# Altium PCB Test_Jig.PcbDoc (part 2 of 2)
Units mm, origin at the board's own origin, x right, y up, seen from the top; angles counter-clockwise.
Board outline 107.92 x 107.92 mm, 4 copper layers (Top Layer, Signal Layer 2, Signal Layer 1, Bottom Layer), stack 1.643 mm thick; 143 components, 166 nets, 722 pads, 216 vias.
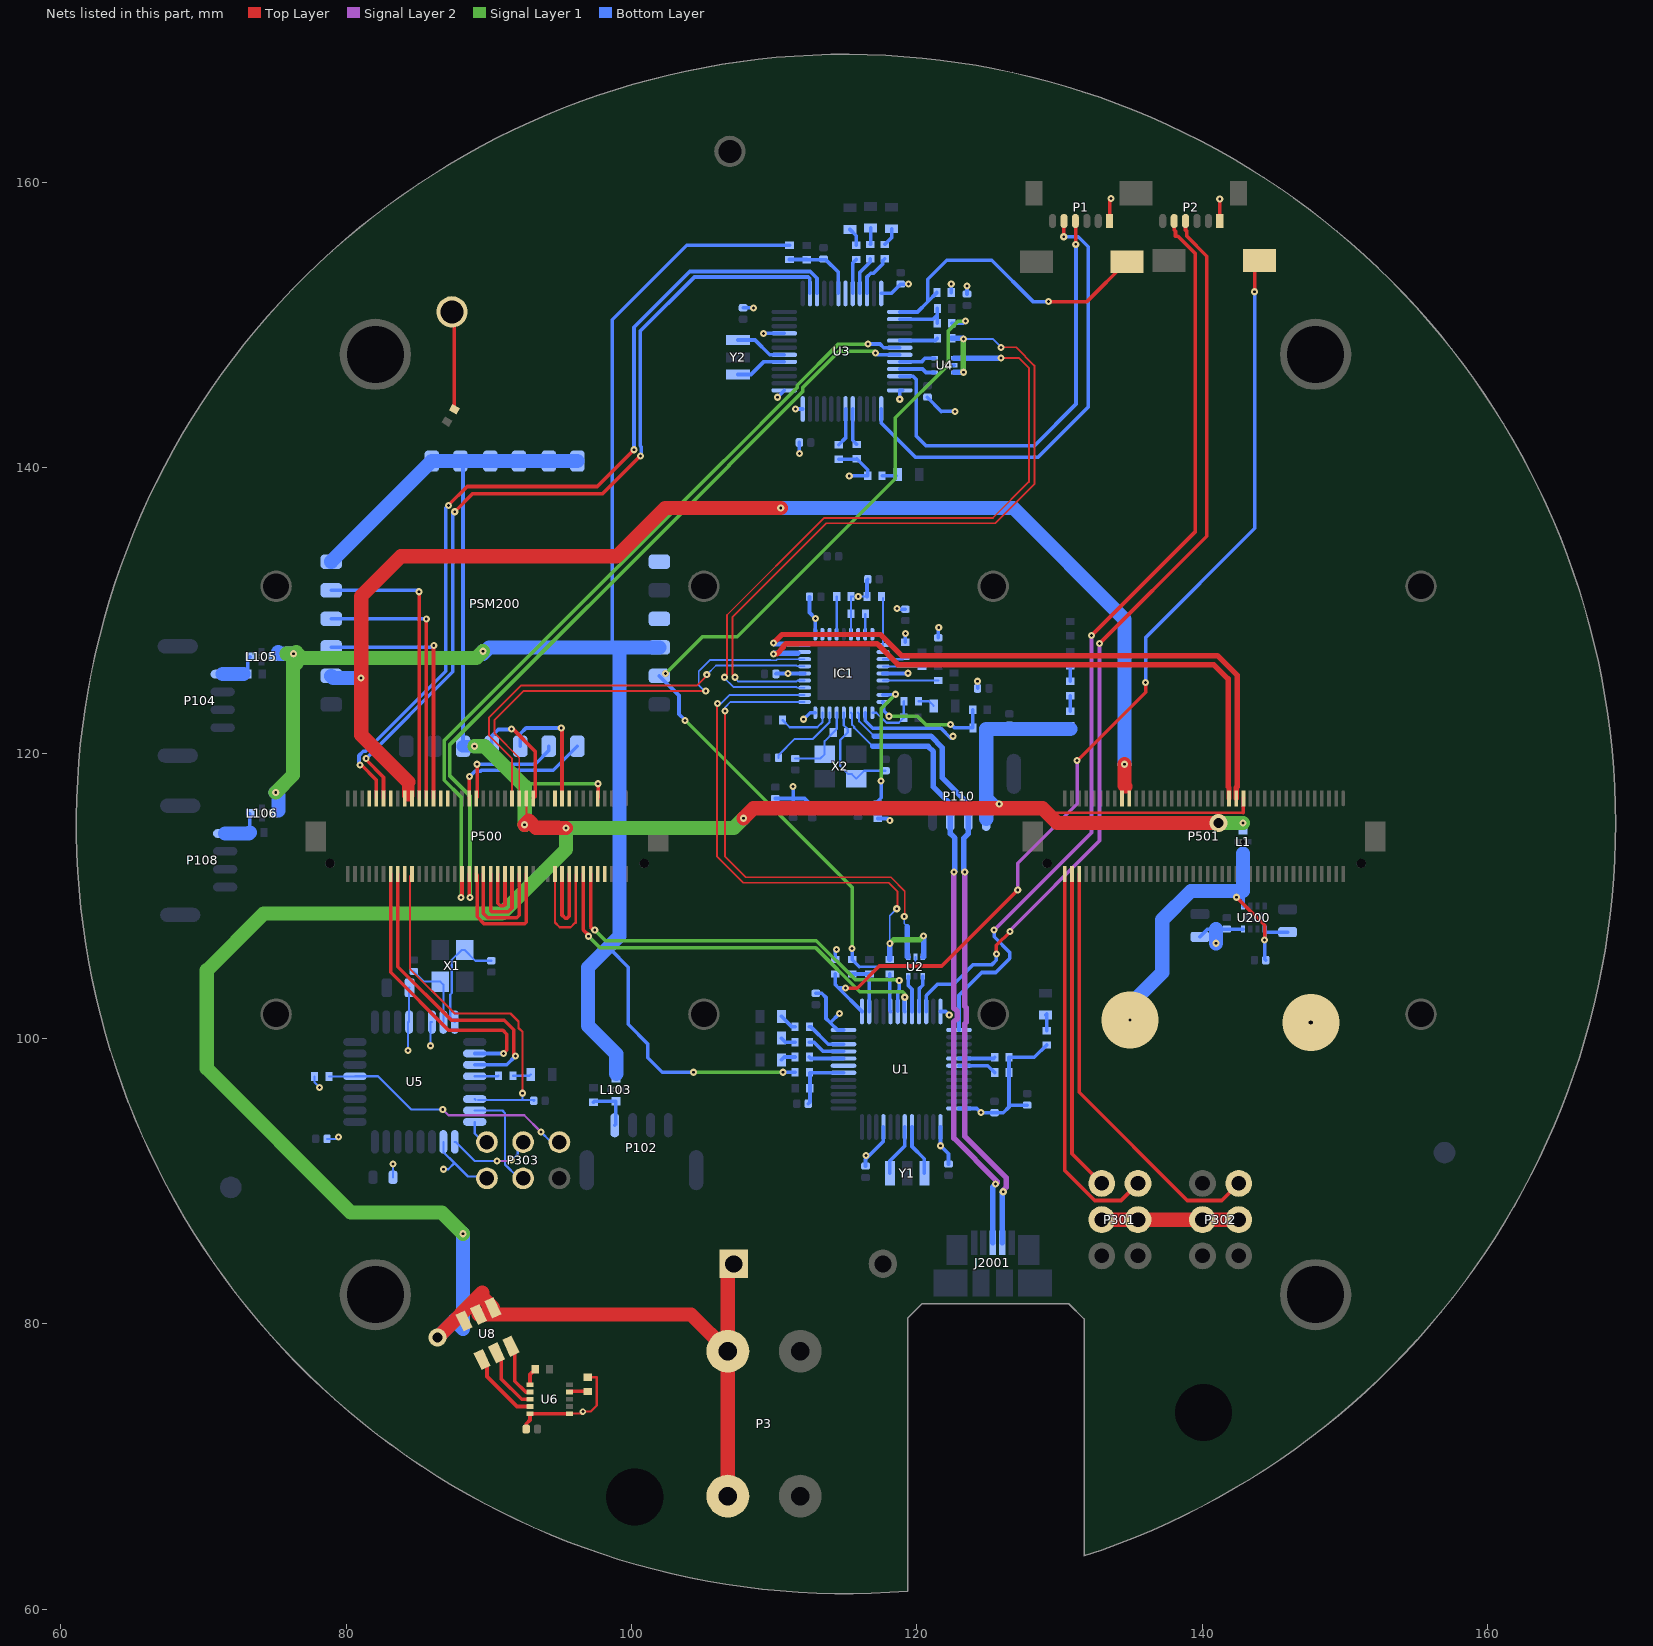
[diagram p4: the nets of this part, all layers, seen from the top]

## Via types
v1: diameter 0.5, hole 0.2, Top Layer to Bottom Layer, tented both sides, 197 vias
v2: diameter 0.5, hole 0.2, Top Layer to Bottom Layer, 9 vias
v3: diameter 0.45, hole 0.2, Top Layer to Bottom Layer, tented both sides, 5 vias
v4: diameter 4, hole 0.3, Top Layer to Bottom Layer, 2 vias
v5: diameter 1.27, hole 0.711, Top Layer to Bottom Layer, tented both sides, 1 vias
v6: diameter 4, hole 0.2, Top Layer to Bottom Layer, 1 vias
v7: diameter 1.27, hole 0.711, Top Layer to Bottom Layer, 1 vias

## Nets (pads, with @x,y where several pads share a name; then routed paths per layer and width w, separated by ;. In a path a pad name is that pad's centre, name@x,y a point inside that pad or via, vN(x,y) a via of type N, cw(c..) or ccw(c..) an arc to the next point about the centre after c; other vN are vias at no path point) (continued)
IO-CH7-PROT: P500.68 U5.10 | length 20.3
  Top Layer w0.254: P500.68@83.115,111.523 83.115,104.641 87.177,100.58 90.987,100.58 91.262,100.305 91.262,99.187 v1(91.027,98.952)
  Bottom Layer w0.254: U5.10@89.011,98.952 v1(91.027,98.952)
IO-CH8-PROT: P500.66 U5.11 | length 21.5
  Top Layer w0.254: P500.66@83.615,111.523 83.615,105.03 87.376,101.27 91.084,101.27 91.748,100.606 91.748,98.891 v1(91.872,98.768)
  Bottom Layer w0.254: U5.11@89.011,98.152 91.256,98.152 v1(91.872,98.768)
IO-SWCLK: P500.71 U3.15 | length 62.7
  Top Layer w0.254: v1(80.956,119.183) 81.046,119.183 82.115,118.113 P500.71@82.115,116.84 ; v1(87.161,137.375) 88.488,138.701 97.604,138.701 v1(100.178,141.275)
  Bottom Layer w0.254: v1(80.956,119.183) 80.895,119.243 80.895,119.835 81.19,120.13 81.364,120.13 86.978,125.743 86.978,137.191 v1(87.161,137.375) ; v1(100.178,141.275) 100.178,149.86 104.086,153.769 112.538,153.769 113.007,153.299 U3.15@113.007,152.234
IO-SWDIO: P500.69 U3.14 | length 61.1
  Top Layer w0.254: v1(81.399,119.626) 81.399,119.536 82.615,118.32 P500.69@82.615,116.84 ; v1(87.605,136.931) 88.875,138.201 97.991,138.201 v1(100.621,140.831)
  Bottom Layer w0.254: v1(81.399,119.626) 87.478,125.705 87.478,136.804 v1(87.605,136.931) ; v1(100.621,140.831) 100.682,140.892 100.682,141.484 100.621,141.544 100.621,149.596 104.412,153.388 112.38,153.388 112.507,153.261 U3.14@112.507,152.234
IO-USART1_RX_SPECTRUM_DSM: P500.48 U3.30 | length 56.8
  Top Layer w0.254: v1(88.052,109.88) 88.115,109.944 P500.48@88.115,111.523
  Signal Layer 1 w0.254: v1(88.052,109.88) 88.052,116.926 86.866,118.112 86.866,120.898 106.479,140.511 106.497,140.511 111.622,145.636 111.622,145.796 114.509,148.684 116.578,148.684 v1(116.586,148.692)
  Bottom Layer w0.254: v1(116.586,148.692) 117.424,148.692 117.682,148.434 U3.30@118.807,148.434
IO-USART1_TX: P500.46 U3.31 | length 56.3
  Top Layer w0.254: P500.46@88.615,111.523 88.615,109.944 v1(88.679,109.88)
  Signal Layer 1 w0.254: v1(88.679,109.88) 88.679,117.006 87.247,118.438 87.247,120.572 106.832,140.157 106.832,140.184 112.003,145.355 112.003,145.639 114.548,148.184 117.094,148.184 v1(117.094,148.057)
  Bottom Layer w0.254: v1(117.094,148.057) 117.217,147.934 U3.31@118.807,147.934
LED01: R5.P$2 U1.20 | length 2.4
  Bottom Layer w0.254: R5.P$2@112.471,98.704 112.581,98.595 U1.20@114.861,98.595
LED02: R16.P$2 U3.20 | length 2.5
  Bottom Layer w0.254: U3.20@115.507,152.234 115.507,154.369 R16.P$2@115.748,154.61
LED11: R4.P$2 U1.21 | length 2.7
  Bottom Layer w0.254: R4.P$2@112.471,99.746 112.801,99.746 113.452,99.095 U1.21@114.861,99.095
LED12: R15.P$2 U3.21 | length 2.7
  Bottom Layer w0.254: U3.21@116.007,152.234 116.007,153.701 116.738,154.432 R15.P$2@116.738,154.661
LED21: R2.P$2 U1.22 | length 2.9
  Bottom Layer w0.254: R2.P$2@112.471,100.813 112.586,100.813 113.803,99.595 U1.22@114.861,99.595
LED22: R14.P$2 U3.22 | length 3.1
  Bottom Layer w0.254: U3.22@116.507,152.234 116.507,153.388 116.764,153.645 116.967,153.645 117.602,154.28 117.602,154.508 R14.P$2@117.754,154.661
MCO1: R40.P$1 U1.29 | length 2.7
  Bottom Layer w0.254: R40.P$1@118.11,104.529 118.11,101.946 U1.29@118.161,101.895
MCO2: R41.P$1 U3.29 | length 2.7
  Bottom Layer w0.254: U3.29@118.807,148.934 121.281,148.934 R41.P$1@121.445,149.098
MISO: P303.2 U5.16 | length 2
  Bottom Layer w0.15: U5.16@89.011,94.152 89.011,93.336 P303.2@89.814,92.532
MOSI: P303.3 U5.15 | length 7.1
  Bottom Layer w0.152: U5.15@89.011,94.952 90.951,94.952 91.135,94.767 91.135,91.161 P303.3@92.024,90.272
NetBUZ1_2: BUZ1.2 R204.P$1 | length 6.9
  Top Layer w0.254: BUZ1.2@87.412,150.941 87.575,150.778 R204.P$1@87.575,144.121
NetC6_P$1: C6.P$1 R6.P$2 R7.P$1 U1.18 | length 4.6
  Bottom Layer w0.254: C6.P$1@112.389,95.428 112.514,95.553 112.514,97.595 U1.18@114.861,97.595
NetC12_P$1: C12.P$1 R17.P$2 R18.P$1 U3.18 | length 5.3
  Bottom Layer w0.254: R17.P$2@111.074,154.61 R18.P$1@112.276,154.61 ; R18.P$1@112.268,154.584 113.64,154.584 114.507,153.717 U3.18@114.507,152.234
NetC16_P$2: C16.P$2 U5.8 X1.1 | length 7.9
  Bottom Layer w0.152: U5.8@87.611,101.152 87.289,101.474 87.289,103.073 87.401,103.186 87.401,105.512 88.095,106.205 X1.1@88.302,106.205 89.053,105.454 C16.P$2@90.17,105.454
NetC17_P$2: C17.P$2 U5.7 X1.3 | length 5.1
  Bottom Layer w0.152: C17.P$2@84.734,104.705 85.452,103.988 X1.3@86.589,103.988 86.811,103.766 U5.7@86.811,101.152
NetC200_P$1: C200.P$1 C201.P$1 L1.P$2 U200.1 U200.5 | length 26
  Top Layer w0.254: v1(142.418,109.906) 144.387,107.937 v1(144.387,106.909)
  Bottom Layer w0.254: v1(142.418,109.906) 142.85,109.906 142.875,109.88 ; U200.1@142.875,109.283 142.875,109.88 ; 142.875,110.338 142.875,109.88 ; L1.P$2@142.875,112.962 L1.P$2@142.875,112.979 ; C200.P$1@144.469,105.486 144.387,105.568 v1(144.387,106.909) 144.387,107.366 144.476,107.455 C201.P$1@145.999,107.455
  Bottom Layer w1: v6(134.95,101.295) 134.95,102.362 137.211,104.623 137.211,108.331 139.217,110.338 142.875,110.338 L1.P$2@142.875,112.962
NetD104_C: D104.C L103.P$2 P102.1 | length 3.3
  Bottom Layer w0.254: D104.C@97.333,95.537 97.401,95.606 L103.P$2@98.908,95.606 98.908,94 P102.1@98.826,93.918
NetD106_C: D106.C L105.P$2 P104.1 | length 2.7
  Bottom Layer w0.254: D106.C@73.102,125.55 73.102,126.609 L105.P$2@73.254,126.761
  Bottom Layer w1: P104.1@71.338,125.548 72.792,125.548 72.796,125.552
NetD108_C: D108.C L106.P$2 P108.1 | length 3
  Bottom Layer w0.254: D108.C@73.228,114.442 L106.P$2@73.228,115.748
  Bottom Layer w1: P108.1@71.515,114.372 73.157,114.372 D108.C@73.228,114.442
NetLED1_A: LED1.A R26.P$1 | length 1.3
  Bottom Layer w0.152: R26.P$1@91.686,97.384 92.837,97.384 LED1.A@92.939,97.485
NetLED2_A: LED2.A R1.P$1 | length 1.3
  Bottom Layer w0.254: LED2.A@129.032,101.651 129.108,101.727 R1.P$1@129.108,100.551
NetLED3_A: LED3.A R2.P$1 | length 1.3
  Bottom Layer w0.254: LED3.A@110.515,101.549 111.252,100.813 R2.P$1@111.463,100.813
NetLED4_A: LED4.A R4.P$1 | length 1.1
  Bottom Layer w0.254: LED4.A@110.515,100.025 110.795,99.746 R4.P$1@111.463,99.746
NetLED5_A: LED5.A R5.P$1 | length 1
  Bottom Layer w0.254: LED5.A@110.515,98.501 110.719,98.704 R5.P$1@111.463,98.704
NetLED6_A: LED6.A R13.P$1 | length 1
  Bottom Layer w0.254: R13.P$1@117.569,139.446 LED6.A@118.567,139.446
NetLED7_A: LED7.A R14.P$1 | length 1.3
  Bottom Layer w0.254: R14.P$1@117.754,155.669 118.237,156.151 LED7.A@118.237,156.769
NetLED8_A: LED8.A R15.P$1 | length 1.2
  Bottom Layer w0.254: R15.P$1@116.738,155.669 116.764,155.694 LED8.A@116.764,156.82
NetLED9_A: LED9.A R16.P$1 | length 1.3
  Bottom Layer w0.254: LED9.A@115.316,156.718 115.748,156.286 R16.P$1@115.748,155.618
NetLED10_A: LED10.A R42.P$2 | length 1.2
  Bottom Layer w0.15: R42.P$2@120.117,123.647 120.853,123.647 LED10.A@121.183,123.317
NetP301_3: P301.3 P301.4 P302.3 P302.4 | length 9.6
  Top Layer w1: P301.4@132.969,87.3 P301.3@135.509,87.3 P302.4@140.03,87.3 P302.3@142.57,87.3
NetR8_P$1: R8.P$1 U1.41 | length 2.5
  Bottom Layer w0.254: U1.41@122.961,98.595 125.374,98.595 R8.P$1@125.459,98.679
NetR9_P$1: R9.P$1 U1.42 | length 2.7
  Bottom Layer w0.254: U1.42@122.961,98.095 124.976,98.095 R9.P$1@125.459,97.612
NetR10_P$2: R10.P$2 S1.1 U1.25 | length 70
  Top Layer w0.254: v1(115.011,103.53) 115.824,103.53 117.373,105.08 121.742,105.08 v1(127.076,110.414) ; v1(131.242,119.482) 136.042,124.282 v1(136.042,124.968) ; v1(143.688,152.349) 143.688,154.203 S1.1@144.018,154.534
  Signal Layer 2 w0.254: v1(127.076,110.414) 127.076,112.293 131.242,116.459 v1(131.242,119.482)
  Bottom Layer w0.254: R10.P$2@114.275,104.521 114.275,103.782 114.489,103.567 ; v1(115.011,103.53) 114.974,103.567 114.489,103.567 ; U1.25@116.161,101.895 114.489,103.567 ; v1(136.042,124.968) 136.042,128.118 143.688,135.763 v1(143.688,152.349)
NetR19_P$1: R19.P$1 U3.41 | length 2.6
  Bottom Layer w0.254: U3.41@115.507,144.134 115.507,141.939 R19.P$1@115.799,141.648
NetR20_P$1: R20.P$1 U3.42 | length 2.7
  Bottom Layer w0.254: R20.P$1@114.529,141.622 115.007,142.101 U3.42@115.007,144.134
NetR21_P$2: R21.P$2 S2.1 U3.25 | length 21.6
  Top Layer w0.254: v1(129.235,151.663) 131.928,151.663 S2.1@134.722,154.457
  Bottom Layer w0.254: U3.25@118.807,150.934 120.047,150.934 120.764,151.651 ; R21.P$2@121.412,152.298 120.764,151.651 ; v1(129.235,151.663) 128.143,151.663 125.247,154.559 122.098,154.559 120.764,153.225 120.764,151.651
NetR26_P$2: R26.P$2 U5.12 | length 1.7
  Bottom Layer w0.152: U5.12@89.011,97.352 90.646,97.352 R26.P$2@90.678,97.384
NetR31_P$1: R31.P$1 U6.4 | length 1.1
  Top Layer w0.254: U6.4@95.66,75.209 95.719,75.268 R31.P$1@96.749,75.268
NetR32_P$1: R32.P$1 U6.6 | length 1.2
  Top Layer w0.254: U6.6@92.888,75.717 92.888,76.446 R32.P$1@93.251,76.81
NetR200_P$2: R200.P$2 R201.P$1 | length 1.1
  Bottom Layer w0.254: R200.P$2@130.759,122.936 R201.P$1@130.759,124.036
NetR201_P$2: R201.P$2 R202.P$1 | length 1.1
  Bottom Layer w0.254: R201.P$2@130.759,125.044 R202.P$1@130.759,126.119
NetU1_5: U1.5 Y1.1 | length 3.6
  Bottom Layer w0.254: U1.5@119.661,93.795 119.661,92.429 120.529,91.561 Y1.1@120.529,90.551
NetU1_6: U1.6 Y1.3 | length 3.7
  Bottom Layer w0.254: Y1.3@118.11,90.551 118.11,91.415 119.161,92.466 U1.6@119.161,93.795
NetU3_5: U3.5 Y2.1 | length 3.6
  Bottom Layer w0.254: Y2.1@107.467,146.552 108.376,146.552 109.257,147.434 U3.5@110.707,147.434
NetU3_6: U3.6 Y2.3 | length 3.7
  Bottom Layer w0.254: Y2.3@107.467,148.971 108.661,148.971 109.699,147.934 U3.6@110.707,147.934
NetU6_7: U6.7 U8.C3 | length 4
  Top Layer w0.254: U8.C3@91.448,78.484 91.821,78.111 91.821,75.971 92.583,75.209 U6.7@92.888,75.209
NetU6_8: U6.8 U8.C2 | length 4.8
  Top Layer w0.254: U8.C2@90.348,78.08 90.856,77.572 90.856,76.149 92.304,74.701 U6.8@92.888,74.701
NetU6_9: U6.9 U8.C1 | length 5.2
  Top Layer w0.254: U8.C1@89.577,77.464 89.865,77.176 89.865,76.302 91.965,74.201 U6.9@92.888,74.201
OCS_N1: IC1.13 R39.P$1 | length 2.6
  Bottom Layer w0.152: IC1.13@114.384,128.34 R39.P$1@114.384,130.988
OCS_N2: IC1.17 R38.P$1 | length 1.4
  Bottom Layer w0.152: IC1.17@116.384,128.34 R38.P$1@116.384,129.753
OCS_N3: IC1.19 R37.P$1 | length 3.3
  Bottom Layer w0.152: IC1.19@117.634,127.59 R37.P$1@117.634,130.871
OCS_N4: IC1.21 R36.P$1 | length 1.6
  Bottom Layer w0.152: IC1.21@117.634,126.59 119.013,126.59 R36.P$1@119.202,126.779
PLLFILT: C29.P$1 IC1.34 | length 5.4
  Bottom Layer w0.152: C29.P$1@110.306,119.685 110.306,119.856 111.455,121.006 111.495,121.006 112.725,121.006 113.884,122.165 IC1.34@113.884,122.84
PPM-SBUS-PROT: P500.62 R3.1 U5.14 | length 25.5
  Top Layer w0.15: P500.62@84.615,111.523 84.46,111.368 84.46,104.897 87.605,101.752 91.516,101.752 92.077,101.191 92.077,100.739 92.354,100.462 v1(92.354,96.164)
  Bottom Layer w0.15: U5.14@89.256,95.682 92.354,95.682 ; v1(92.354,96.164) 92.354,95.682 ; R3.1@93.148,95.631 93.199,95.682 92.354,95.682
  Bottom Layer w0.152: U5.14@89.011,95.752 U5.14@89.055,95.707
PRESSURE_SENS_IN: P500.21
PROT_SPARE_1: P500.8
PROT_SPARE_2: P500.10
PRTPWR1: IC1.12
PRTPWR2: IC1.16
PRTPWR3: IC1.18
PRTPWR4: IC1.20
PWR_BR1: U1.19
PWR_BR2: U3.19
RBIAS: IC1.35 R34.P$2 | length 3.8
  Bottom Layer w0.152: R34.P$2@110.592,122.326 111.1,121.818 113.03,121.818 113.384,122.173 IC1.35@113.384,122.84
RESET_N: C31.P$1 IC1.26 R29.P$1 | length 10.4
  Signal Layer 1 w0.254: v1(117.5,118.059) 117.5,123.131 v1(118.506,124.137)
  Bottom Layer w0.254: C31.P$1@115.875,116.357 115.949,116.432 R29.P$1@117.272,116.432 ; R29.P$1@117.221,116.592 117.5,116.872 v1(117.5,118.059) ; IC1.26@117.634,124.09 118.46,124.09 v1(118.506,124.137)
RST: P303.6 R25.P$2 U5.29 | length 17.7
  Signal Layer 2 w0.152: v1(86.766,95.021) 87.173,94.615 92.481,94.615 v1(93.65,93.447)
  Bottom Layer w0.152: R25.P$2@78.791,97.333 80.611,97.333 U5.29@80.611,97.352 82.226,97.352 84.557,95.021 v1(86.766,95.021) ; v1(93.65,93.447) 94.31,92.786 P303.6@94.31,92.532
RX_5V0_OUT: PSM200.RX
S.BUS_OUT: P500.64
SAFETY: P500.17
SCK: P303.4 U5.17 | length 5.8
  Signal Layer 2 w0.152: v1(90.576,91.415) 91.516,91.415 v1(91.592,91.491)
  Bottom Layer w0.152: U5.17@87.611,92.752 87.664,92.752 89.002,91.415 v1(90.576,91.415) ; v1(91.592,91.491) 92.024,91.923 P303.4@92.024,92.558
SCL: IC1.24 R44.P$2 | length 3.9
  Bottom Layer w0.152: IC1.24@117.634,125.09 121.509,125.09 R44.P$2@121.514,125.095
SDA: IC1.22 R33.P$2 | length 2.7
  Bottom Layer w0.152: IC1.22@117.634,126.09 120.366,126.09 R33.P$2@120.371,126.086
SERIAL1_CTS: P500.30 P500.44 | length 10.1
  Top Layer w0.254: P500.44@89.115,111.523 89.183,111.456 89.183,108.531 89.662,108.052 92.507,108.052 92.634,108.179 P500.30@92.634,111.523
SERIAL1_RTS: P500.32 P500.42 | length 8.4
  Top Layer w0.254: P500.42@89.615,111.523 89.615,108.759 89.916,108.458 91.948,108.458 92.126,108.636 P500.32@92.126,111.523
SERIAL1_RX: P500.36 P500.38 | length 4.8
  Top Layer w0.254: P500.38@90.627,111.523 90.627,109.474 90.805,109.296 91.034,109.296 91.135,109.398 P500.36@91.135,111.523
SERIAL1_TX: P500.34 P500.40 | length 6.6
  Top Layer w0.254: P500.40@90.119,111.523 90.119,108.991 90.221,108.89 91.364,108.89 91.618,109.144 P500.34@91.618,111.523
SERIAL3_RX: P500.18 P500.20 | length 6.5
  Top Layer w0.254: P500.20@95.123,111.523 95.123,108.661 95.352,108.433 95.479,108.433 95.631,108.585 P500.18@95.631,111.523
SERIAL3_TX: P500.16 P500.22 | length 8.5
  Top Layer w0.15: P500.22@94.641,111.523 94.641,108.128 94.971,107.798 95.733,107.798 96.037,108.102 96.088,108.102 96.088,111.472 P500.16@96.139,111.523
SERIAL5_RX: P500.12 U1.30 | length 29.1
  Top Layer w0.254: P500.12@97.13,111.523 97.13,107.823 97.342,107.611 v1(97.426,107.611)
  Signal Layer 1 w0.254: v1(97.426,107.611) 98.179,106.858 112.959,106.858 115.702,104.115 118.72,104.115 v1(118.77,104.064)
  Bottom Layer w0.254: U1.30@118.653,101.903 118.653,103.286 118.77,103.403 v1(118.77,104.064)
SERIAL5_TX: P500.14 U1.31 | length 29.6
  Top Layer w0.254: P500.14@96.622,111.523 96.622,107.612 96.982,107.252 v1(96.982,107.168)
  Signal Layer 1 w0.254: v1(96.982,107.168) 97.8,106.35 112.928,106.35 116.002,103.276 119.024,103.276 119.157,103.143 v1(119.157,102.894)
  Bottom Layer w0.254: v1(119.157,102.894) 119.126,102.863 119.126,101.93 U1.31@119.161,101.895
SPI_EXT_MISO: P500.67
SPI_EXT_MOSI: P500.51
SPI_EXT_SCK: P500.73
SUS_IND: IC1.28 R35.P$1 R42.P$1 | length 3.8
  Bottom Layer w0.15: IC1.28@116.884,122.84 117.167,122.84 117.872,122.135 118.739,122.135 R35.P$1@119.083,122.479 119.083,123.622 R42.P$1@119.109,123.647
SWCLK_INT1: P2.5 U1.37 | length 65.8
  Top Layer w0.254: v1(132.245,128.257) 139.535,135.547 139.535,155.007 138.307,156.235 138.138,156.235 138.138,156.587 138.043,156.682 P2.5@138.043,157.309
  Signal Layer 2 w0.254: v1(125.425,107.608) 132.245,114.428 v1(132.245,128.257)
  Bottom Layer w0.254: U1.37@122.961,100.595 122.961,103.022 124.562,104.623 125.527,104.623 126.517,105.613 126.517,106.032 125.425,107.125 v1(125.425,107.608)
SWCLK_INT2: P1.5 U3.37 | length 32.3
  Top Layer w0.254: v1(130.302,156.21) 130.302,157.29 P1.5@130.321,157.309
  Bottom Layer w0.254: U3.37@117.507,144.134 117.507,143.148 119.894,140.761 128.518,140.761 132.029,144.272 132.029,155.5 131.32,156.21 v1(130.302,156.21)
SWIO_INT1: P2.4 U1.34 | length 65.6
  Top Layer w0.254: v1(125.578,105.918) 125.578,106.528 v1(126.543,107.493) ; v1(132.811,127.692) 140.335,135.216 140.335,154.838 138.938,156.235 138.938,156.587 138.843,156.682 P2.4@138.843,157.309
  Signal Layer 2 w0.254: v1@126.543,107.594 132.811,113.862 v1(132.811,127.692)
  Bottom Layer w0.254: U1.34@120.661,101.895 120.661,103.008 121.437,103.784 121.465,103.812 122.582,103.812 123.952,105.181 125.273,105.181 125.578,105.486 v1(125.578,105.918) ; v1(126.543,107.493) v1@126.543,107.594
SWIO_INT2: P1.4 U3.34 | length 30.8
  Top Layer w0.254: P1.4@131.121,157.309 131.14,157.29 v1(131.14,155.677)
  Bottom Layer w0.254: U3.34@118.807,146.434 119.733,146.434 119.964,146.202 119.964,142.24 120.644,141.561 128.251,141.561 131.166,144.475 131.166,155.677 v1(131.14,155.677)
TEST: IC1.11
USB1DM: U1.32 U2.3 | length 2.6
  Bottom Layer w0.254: U2.3@119.405,104.354 119.405,103.708 119.661,103.452 U1.32@119.661,101.895
USB1DP: U1.33 U2.1 | length 2.6
  Bottom Layer w0.254: U1.33@120.161,101.895 120.161,103.474 120.413,103.726 U2.1@120.413,104.354
USB2DM: U3.32 U4.3 | length 2.6
  Bottom Layer w0.254: U3.32@118.807,147.434 120.332,147.434 120.599,147.701 U4.3@121.27,147.701
USB2DP: U3.33 U4.1 | length 2.6
  Bottom Layer w0.254: U3.33@118.807,146.934 120.401,146.934 120.642,146.693 U4.1@121.27,146.693
USB_1_N: IC1.1 U2.4 | length 34.6
  Top Layer w0.127: v1(106.558,122.957) 106.558,112.746 108.001,111.303 118.192,111.303 119.16,110.334 119.16,108.594 v1(119.126,108.56)
  Bottom Layer w0.127: v1(106.558,122.957) 106.558,123.22 106.928,123.59 IC1.1@112.134,123.59 ; v1(119.126,108.56) 119.126,108.06 119.346,107.84
  Bottom Layer w0.381: 119.346,107.84 119.346,105.715 U2.4@119.405,105.715
USB_1_P: IC1.2 R40.P$2 U2.6 | length 39.9
  Top Layer w0.127: v1(106.025,123.49) 105.99,123.455 105.99,112.774 107.843,110.922 118.034,110.922 118.643,110.312 118.643,109.144 v1(118.593,109.093)
  Signal Layer 1 w0.381: v1(118.11,106.655) 118.389,106.934 120.218,106.934 v1(120.472,107.188)
  Bottom Layer w0.127: v1(106.025,123.49) 106.288,123.49 106.889,124.09 IC1.2@112.134,124.09 ; v1(118.11,106.655) 118.11,108.61 v1(118.593,109.093)
  Bottom Layer w0.381: R40.P$2@118.11,105.537 v1(118.11,106.655) ; U2.6@120.413,105.715 120.481,105.715 v1@120.481,107.188
USB_2_N: IC1.3 U4.4 | length 48.9
  Top Layer w0.127: v1(106.51,125.324) 106.697,125.51 106.697,129.689 113.507,136.5 125.344,136.5 127.864,139.02 127.864,147.015 127.178,147.701 v1(125.908,147.701)
  Bottom Layer w0.127: v1(106.51,125.324) 106.51,125.275 107.136,124.65 111.561,124.65 111.621,124.59 IC1.3@112.134,124.59
  Bottom Layer w0.381: U4.4@122.631,147.701 v1(125.908,147.701)
USB_2_P: IC1.4 R41.P$2 U4.6 | length 52.3
  Top Layer w0.127: v1(107.264,125.324) 107.078,125.51 107.078,129.531 113.665,136.119 125.501,136.119 128.245,138.862 128.245,147.173 126.963,148.455 v1(125.908,148.455)
  Signal Layer 1 w0.381: v1(123.266,146.71) v1(123.266,149.047)
  Bottom Layer w0.127: v1(107.264,125.324) 107.264,125.234 107.467,125.031 111.561,125.031 111.621,125.09 IC1.4@112.134,125.09 ; v1(123.266,149.047) 125.316,149.047 v1(125.908,148.455)
  Bottom Layer w0.381: R41.P$2@122.453,149.098 123.215,149.098 v1(123.266,149.047) ; U4.6@122.631,146.693 v1@123.266,146.693
USB_3_N: IC1.6 P500.33 | length 30.2
  Top Layer w0.127: P500.33@91.618,116.84 91.618,119.634 90.018,121.234 90.018,122.51 92.247,124.739 104.572,124.739 105.206,125.374 v1@105.409,125.374 ; v1(105.277,125.506) v1@105.4,125.628
  Bottom Layer w0.127: v1(105.277,125.506) 105.922,126.15 111.561,126.15 111.621,126.09 IC1.6@112.134,126.09
USB_3_P: IC1.7 P500.31 | length 31.6
  Top Layer w0.127: P500.31@92.126,116.84 92.126,119.665 90.399,121.392 90.399,122.352 92.405,124.358 v1(105.207,124.358)
  Bottom Layer w0.127: v1@105.207,124.481 105.207,124.257 104.71,124.754 104.71,125.741 105.5,126.531 109.766,126.531 109.774,126.523 110.139,126.523 110.207,126.59 IC1.7@112.134,126.59
USB_4_N: IC1.8 P501.33 | length 43.4
  Top Layer w0.381: v1(109.957,126.963) 110.185,126.963 110.651,127.43 110.651,127.514 110.823,127.686 117.196,127.686 118.669,126.213 140.818,126.213 141.824,125.206 141.824,117.653 141.888,117.589 P501.33@141.888,116.84
  Bottom Layer w0.381: v1(109.957,126.963) 110.016,127.023 111.658,127.023
USB_4_P: IC1.9 P501.31 | length 44.4
  Top Layer w0.381: v1(109.957,127.717) 110.56,128.321 117.459,128.321 118.932,126.848 141.081,126.848 142.181,125.747 142.459,125.469 142.459,117.653 142.396,117.589 P501.31@142.396,116.84
  Bottom Layer w0.381: v1(109.957,127.717) 110.016,127.658 IC1.9@111.76,127.658
USB_UP_N: IC1.30 J2001.D- P110.2 | length 44.3
  Signal Layer 2 w0.381: v1(123.359,111.684) 123.359,102.268 123.478,102.149 123.478,101.153 123.359,101.033 123.359,93.151 126.272,90.238 126.272,89.552 126.06,89.34 v1(126.06,89.256)
  Bottom Layer w0.15: IC1.30@115.884,122.84 115.959,122.765 115.959,122.242 117.011,121.19
  Bottom Layer w0.381: 117.011,121.19 120.983,121.19 121.793,120.38 121.793,118.263 123.612,116.445 P110.2@123.612,115.403 123.612,114.362 123.299,114.049 123.299,111.743 v1(123.359,111.684) ; J2001.D-@125.984,85.674 125.984,89.18 v1(126.06,89.256)
USB_UP_P: IC1.31 J2001.D+ P110.3 | length 44.1
  Signal Layer 2 w0.381: v1(122.605,111.684) 122.605,102.124 122.843,101.886 122.843,101.416 122.605,101.177 122.605,93.007 125.637,89.975 125.637,89.899 v1(125.527,89.789)
  Bottom Layer w0.15: IC1.31@115.384,122.84 115.459,122.765 115.459,121.997 115.612,121.845 115.612,121.787 116.92,120.479
  Bottom Layer w0.381: 116.92,120.479 120.796,120.479 121.158,120.117 121.158,117.638 122.352,116.445 P110.3@122.352,115.403 122.352,114.362 122.664,114.049 122.664,111.743 v1(122.605,111.684) ; J2001.D+@125.324,85.674 125.324,89.586 v1(125.527,89.789)
V\B\U\S\_\V\A\L\I\D\: P500.59 PSM200.!VBUS_VALID | length 20.7
  Top Layer w0.254: v1(85.09,131.318) 85.115,131.293 85.115,129.626 85.111,129.622 85.111,116.844 P500.59@85.115,116.84
  Bottom Layer w0.254: PSM200.!VBUS_VALID@78.953,131.42 85.014,131.42 85.09,131.343 v1(85.09,131.318)
V\D\D\_\5\V\_\H\I\P\O\W\E\R\_\O\C\: P500.45 PSM200.!VDD_5V_HIPOWER_OC | length 10
  Top Layer w0.254: P500.45@88.615,116.84 88.615,118.333 v1(88.646,118.364)
  Bottom Layer w0.254: v1(88.646,118.364) 89.006,118.724 89.388,118.724 89.46,118.796 90.551,118.796 94.515,118.796 PSM200.!VDD_5V_HIPOWER_OC@96.203,120.484
V\D\D\_\5\V\_\P\E\R\I\P\H\_\E\N\: P500.27 PSM200.!VDD_5V_PERIPH_EN | length 8
  Top Layer w0.254: v1(91.592,121.691) 91.694,121.691 93.239,120.146 93.239,116.963 P500.27@93.117,116.84
  Bottom Layer w0.254: PSM200.!VDD_5V_PERIPH_EN@90.195,120.484 90.195,121.209 90.653,121.666 91.567,121.666 v1(91.592,121.691)
V\D\D\_\5\V\_\P\E\R\I\P\H\_\O\C\: P500.43 PSM200.!VDD_5V_PERIPH_OC | length 8
  Top Layer w0.254: P500.43@89.179,116.904 v1(89.179,119.228)
  Bottom Layer w0.254: v1(89.179,119.228) 93.243,119.228 94.203,120.188 PSM200.!VDD_5V_PERIPH_OC@94.203,120.484
V\D\D\_\B\A\C\K\U\P\_\V\A\L\I\D\: P500.57 PSM200.!VDD_BACKUP_VALID | length 19.2
  Top Layer w0.254: P500.57@85.615,116.84 v1(85.615,129.413)
  Bottom Layer w0.254: PSM200.!VDD_BACKUP_VALID@78.953,129.416 v1@85.615,129.416
V\D\D\_\B\R\I\C\K\_\V\A\L\I\D\: P500.55 PSM200.!VDD_BRICK_VALID | length 18
  Top Layer w0.254: P500.55@86.115,116.84 v1@86.115,127.558
  Bottom Layer w0.254: PSM200.!VDD_BRICK_VALID@78.953,127.416 86.141,127.416 v1(86.141,127.558)
VBUS: C18.P$1 D200.2 L1.P$1 P3.2 P110.1 P500.9 P500.29 P501.29 PSM200.SERVO_IN PSM200.VBUS PSM200.VDD_5V_BACKUP PSM200.VDD_BRICK_IN PSM200.VDD_VBUS R27.P$2 R200.P$1 U8.A1 U8.A2 U8.A3 | length 248.8
  Top Layer w0.15: P500.29@92.634,116.84 92.634,115.722 93.142,115.214 94.945,115.214 ; 129.133,115.827 142.875,115.827
  Top Layer w0.254: P500.9@97.638,116.84 97.663,116.865 v1(97.663,117.856) ; 125.781,116.149 v1(125.781,116.434) ; 142.875,115.827 142.875,116.811 P501.29@142.904,116.84
  Top Layer w1: v7(86.411,79.045) 89.535,82.169 89.535,81.866 U8.A3@90.28,81.122 89.815,80.657 ; U8.A2@89.283,80.657 89.815,80.657 ; v1(92.507,114.987) 92.792,115.273 93.308,114.757 v1(95.402,114.757) ; P3.2@106.756,67.92 P3.2@106.756,78.08 ; D200.2@107.165,84.201 106.756,83.792 P3.2@106.756,78.08 ; v1(107.848,115.443) 108.554,116.149 125.781,116.149 128.811,116.149 129.133,115.827 129.847,115.113 v5(141.148,115.113) ; 89.815,80.657 104.179,80.657 P3.2@106.756,78.08
  Signal Layer 1 w0.254: 92.329,117.856 v1(97.663,117.856)
  Signal Layer 1 w1: v1(88.189,86.309) 86.69,87.808 80.315,87.808 70.231,97.892 70.231,104.775 74.219,108.763 90.907,108.763 95.402,113.259 v1(95.402,114.757) 107.163,114.757 v1(107.848,115.443) ; v1(88.99,120.484) 89.701,120.484 92.329,117.856 92.507,117.678 v1(92.507,114.987) ; v5(141.148,115.113) v1(142.875,115.113)
  Bottom Layer w0.254: PSM200.VDD_VBUS@88.003,140.484 88.189,140.298 PSM200.VBUS@88.189,120.484 ; 125.07,117.145 v1(125.781,116.434)
  Bottom Layer w0.9: PSM200.VBUS@88.189,120.484 v1(88.99,120.484)
  Bottom Layer w1: PSM200.SERVO_IN@78.953,133.426 78.953,133.434 PSM200.VDD_VBUS@86.003,140.484 PSM200.VDD_VBUS@88.003,140.484 PSM200.VDD_5V_BACKUP@90.103,140.484 PSM200.VDD_5V_BACKUP@92.103,140.484 PSM200.VDD_BRICK_IN@94.203,140.484 PSM200.VDD_BRICK_IN@96.203,140.484 ; v7(86.411,79.045) 87.605,80.239 88.189,79.654 v1(88.189,86.309) ; P110.1@124.862,115.403 124.862,121.693 R200.P$1@130.759,121.693
VBUS_A: R11.P$2 R12.P$1 U1.26 | length 3.9
  Bottom Layer w0.254: R11.P$2@115.468,104.521 R12.P$1@116.68,104.521 ; U1.26@116.661,101.895 116.661,104.503 R12.P$1@116.68,104.521 ; R12.P$1@116.688,104.529 R12.P$1@116.68,104.521
VBUS_B: R22.P$2 R23.P$1 U3.26 | length 3.8
  Bottom Layer w0.254: U3.26@118.807,150.434 121.143,150.434 121.437,150.728 ; R22.P$2@121.437,150.139 121.437,150.728 ; R23.P$1@121.445,151.181 121.437,151.173 121.437,150.728
VBUS_DET: IC1.27 R27.P$1 R28.P$2 | length 8.7
  Signal Layer 1 w0.254: v1(118.059,122.587) 120.057,122.587 120.641,122.003 v1(122.352,122.003)
  Bottom Layer w0.254: IC1.27@117.634,123.59 117.678,123.546 117.678,122.968 v1(118.059,122.587) ; v1(122.352,122.003) 122.428,122.003 122.657,121.774 R27.P$1@123.935,121.774 ; R27.P$1@123.927,121.782 R28.P$2@123.927,123.044
VDD33: C1.P$1 C2.P$1 C3.P$1 C4.P$1 C5.P$1 C7.P$1 C8.P$1 C9.P$1 C10.P$1 C11.P$1 C14.P$1 C15.P$1 C19.P$1 C20.P$1 C21.P$1 C22.P$1 C23.P$1 C24.P$1 C25.P$1 C26.P$1 C27.P$1 C33.P$1 C34.P$2 C202.P$1 C203.P$1 IC1.5 IC1.10 IC1.15 IC1.23 IC1.29 IC1.36 P1.1 P2.1 P303.1 R1.P$2 R8.P$2 R9.P$2 R10.P$1 R13.P$2 R19.P$2 R20.P$2 R21.P$1 R25.P$1 R29.P$2 R31.P$2 R36.P$2 R37.P$2 R38.P$2 R39.P$2 U1.1 U1.9 U1.24 U1.36 U1.48 U3.1 U3.9 U3.24 U3.36 U3.48 U5.4 U5.6 U5.18 U6.1 U6.10 U200.8 | length 97.3
  Top Layer w0.15: U6.1@95.66,73.701 96.46,73.701 v3(96.596,73.838) 97.13,73.838 97.561,74.27 97.561,76.251 R31.P$2@96.926,76.251 ; R31.P$2@96.749,76.276 R31.P$2@97.053,76.276
  Top Layer w0.254: C34.P$2@92.615,72.619 92.615,72.981 92.888,73.254 U6.10@92.888,73.701 U6.1@95.66,73.701 ; P1.1@133.521,157.309 133.521,158.807 v1(133.604,158.89) ; P2.1@141.243,157.309 v1(141.243,158.845)
  Signal Layer 2 w0.15: v3(96.596,73.838) v3@96.64,73.881
  Signal Layer 2 w0.254: v4(147.625,101.117) v4@147.625,101.829
  Bottom Layer w0.152: R25.P$1@77.783,97.333 77.783,96.918 v1(78.13,96.571) ; C14.P$1@78.657,92.964 79.324,92.964 v1(79.451,93.091) ; C33.P$1@83.275,90.272 v1(83.275,91.2) ; v1(84.328,99.162) 84.328,101.152 U5.4@84.411,101.152 84.411,103.556 C15.P$1@84.442,103.556 ; v1(85.903,99.492) 85.903,101.152 U5.6@86.011,101.152 ; U5.18@86.811,92.752 86.811,92.045 87.586,91.269 ; v1(86.817,90.83) 87.147,90.83 87.586,91.269 ; P303.1@89.738,90.322 88.534,90.322 87.586,91.269 ; IC1.15@115.384,128.34 115.384,130.98 R39.P$2@115.392,130.988 v1(115.9,130.988) R37.P$2@116.51,130.988
  Bottom Layer w0.254: C9.P$1@107.823,151.225 108.541,151.225 v1(108.56,151.206) ; v1(109.251,149.434) U3.9@110.707,149.434 ; C19.P$1@110.084,116.827 111.328,116.827 ; C23.P$1@110.128,125.559 110.16,125.59 v1(110.973,125.59) IC1.5@112.134,125.59 ; v1(110.231,144.958) U3.1@110.707,145.434 ; C25.P$1@111.328,116.307 111.328,116.827 ; v1(111.328,117.659) 111.328,116.827 ; v1(111.495,144.134) U3.48@112.007,144.134 ; v1(111.766,141.014) C8.P$1@111.766,141.783 ; v1(112.065,122.384) 112.521,122.84 IC1.36@112.884,122.84 ; C26.P$1@112.478,130.969 112.478,129.858 v1@112.884,129.451 ; C22.P$1@112.674,116.281 112.128,116.827 111.328,116.827 ; IC1.10@112.884,128.34 v1@112.884,129.451 ; v1(112.903,129.433) v1@112.884,129.451 ; C4.P$1@112.928,103.168 113.341,103.168 113.64,102.87 113.64,101.397 113.932,101.105 ; R10.P$1@114.275,105.529 114.275,106.147 v1(114.376,106.248) ; R20.P$2@114.529,140.614 115.773,140.614 R19.P$2@115.799,140.64 116.561,139.878 R13.P$2@116.561,139.446 v1(115.265,139.446) ; v1(114.579,101.752) 113.932,101.105 ; U1.24@114.861,100.595 114.442,100.595 113.932,101.105 ; IC1.29@116.384,122.84 116.384,122.282 116.918,121.749 121.691,121.749 122.39,121.05 v1(122.53,121.19) ; C1.P$1@116.408,91.053 116.408,91.542 v1@116.548,91.681 ; v1(116.434,91.796) 116.662,91.796 117.661,92.795 U1.9@117.661,93.795 ; R37.P$2@116.51,130.988 116.51,132.131 C20.P$1@116.567,132.188 ; R29.P$2@117.272,115.424 117.958,115.424 v1(118.11,115.272) ; U3.24@117.507,152.234 118.217,152.234 C10.P$1@118.872,152.889 v1(119.424,152.889) ; IC1.23@117.634,125.59 119.361,125.59 v1(119.38,125.609) ; v1(118.618,130.156) 118.675,130.099 C27.P$1@119.202,130.099 ; v1(118.807,144.817) U3.36@118.807,145.434 U3.36@119.006,145.434 ; R36.P$2@119.202,127.787 v1(119.202,128.403) ; C11.P$1@120.736,144.948 121.723,143.961 ; C21.P$1@121.514,128.092 121.514,128.784 v1(121.539,128.81) ; U1.1@121.661,93.795 121.661,92.486 v1(121.666,92.481) 122.225,91.923 C3.P$1@122.225,91.205 ; U1.36@121.661,101.895 122.032,101.895 v1(122.276,101.651) ; 121.73,143.967 v1(122.682,143.967) ; R21.P$1@122.42,152.298 v1(122.42,152.9) ; U1.48@122.961,95.095 124.209,95.095 v1(124.504,94.799) C2.P$1@125.451,94.799 126.067,94.799 126.467,95.199 ; C7.P$1@123.52,152.19 v1(123.52,152.756) ; C24.P$1@124.263,124.543 v1(124.263,125.044) ; 126.467,95.333 R9.P$2@126.467,97.612 R8.P$2@126.467,98.679 128.245,98.679 R1.P$2@129.108,99.543 ; 126.6,95.333 C5.P$1@127.737,95.333 ; C203.P$1@139.852,107.125 140.398,107.671 140.97,107.671 U200.8@142.875,107.671
  Bottom Layer w1: v1(140.97,106.68) 140.97,107.671
VDD_3V3_SPEKTRUM: PSM200.SPEK
VDD_3V3_SPEKTRUM_EN: P500.19 PSM200.VDD_3V3_SPEKTRUM_EN | length 8.9
  Top Layer w0.254: v1(95.072,121.768) 95.123,121.717 P500.19@95.123,116.84
  Bottom Layer w0.254: PSM200.VDD_3V3_SPEKTRUM_EN@92.203,120.484 92.203,121.363 92.608,121.768 v1(95.072,121.768)
VDD_5V_HIPOWER: PSM200.5V_HIPOWER R11.P$1 R22.P$1 U2.5 U4.5 | length 67.3
  Top Layer w0.254: v1@122.199,147.168 v1(122.199,147.218)
  Signal Layer 1 w0.254: v1(102.387,125.578) 104.978,128.168 107.417,128.168 118.491,139.243 118.491,143.51 v1(122.199,147.218) 122.199,149.606 122.885,150.292 v1(123.419,150.292) ; v1(103.759,122.301) 115.468,110.592 v1(115.468,106.299)
  Bottom Layer w0.15: 115.968,105.029 119.507,105.029 119.913,105.435 U2.5@119.913,105.715
  Bottom Layer w0.254: PSM200.5V_HIPOWER@101.953,125.416 103.327,124.042 103.327,122.733 v1(103.759,122.301) ; v1(115.468,106.299) R11.P$1@115.468,105.529 115.968,105.029 ; v1(122.199,147.218) 122.225,147.193 U4.5@122.631,147.193 ; R22.P$1@122.445,150.139 123.266,150.139 v1(123.419,150.292)
VDD_5V_IN_PROT: P500.61 P500.63 P501.61 P501.63 PSM200.VDD_5V_IN_PROT | length 89.2
  Top Layer w0.254: P500.63@84.242,116.967 P500.63@84.115,116.84 P500.61@84.615,116.84
  Top Layer w0.9: 84.353,117.078 84.353,117.983
  Top Layer w1: 84.353,117.983 81.051,121.285 81.051,131.013 83.845,133.807 98.984,133.807 102.362,137.185 v1(110.465,137.185) ; v1(134.569,119.228) 134.569,117.728 134.635,117.663
  Bottom Layer w1: PSM200.VDD_5V_IN_PROT@78.953,125.416 79.097,125.273 v1(81.026,125.273) ; v1(110.465,137.185) 126.771,137.185 134.569,129.388 v1(134.569,119.228)
VDD_5V_PERIPH: L103.P$1 L105.P$1 L106.P$1 PSM200.5V_PERIPH R6.P$1 R17.P$1 | length 128.8
  Signal Layer 1 w0.254: v1(104.343,97.638) v1(110.617,97.638)
  Signal Layer 1 w1: v1(75.057,117.246) 76.276,118.466 76.276,126.517 76.505,126.289 v1@76.505,127.076 ; 75.819,126.975 v1(76.302,126.975) ; v1@76.517,127.038 76.874,126.681 89.115,126.681 v1(89.586,127.152)
  Bottom Layer w0.254: 98.209,106.236 98.539,106.236 99.771,105.004 99.771,100.99 101.143,99.619 101.143,98.654 102.159,97.638 v1(104.343,97.638) ; 98.654,127.492 98.654,150.393 103.878,155.618 R17.P$1@111.074,155.618 ; v1(110.617,97.638) R6.P$1@111.463,97.638
  Bottom Layer w1: v1(75.057,117.246) 75.26,117.043 75.26,115.976 ; 75.235,127.076 75.336,126.975 v1(76.302,126.975) ; v1(89.586,127.152) 89.586,126.975 90.027,127.416 99.162,127.416 ; 98.933,97.536 98.933,98.908 96.952,100.889 96.952,104.978 98.209,106.236 99.162,107.188 99.162,127.416 ; PSM200.5V_PERIPH@101.953,127.416 99.162,127.416
VDD_SERVO: P500.53
X_AXIS: P301.1 P501.80 | length 27.3
  Top Layer w0.254: P501.80@130.385,111.523 130.385,90.735 132.474,88.646 134.315,88.646 P301.1@135.509,89.84
XTAL_IN: C32.P$1 IC1.33 R30.P$2 X2.3 | length 5.4
  Bottom Layer w0.152: C32.P$1@111.481,119.628 113.233,119.628 X2.3@113.538,119.932 113.538,120.847 R30.P$2@114.148,121.456 114.384,121.693 IC1.33@114.384,122.84
XTAL_OUT: C28.P$2 IC1.32 R30.P$1 X2.1 | length 7.8
  Bottom Layer w0.152: IC1.32@114.884,122.84 114.884,121.964 115.156,121.693 R30.P$1@115.156,121.456 114.63,120.931 114.63,119.094 115.189,118.535 115.439,118.535 X2.1@115.756,118.219 116.307,118.77 C28.P$2@117.805,118.77
Y_AXIS: P301.2 P501.78 | length 22.5
  Top Layer w0.254: P501.78@130.885,111.523 130.885,91.924 P301.2@132.969,89.84
Z_AXIS: P302.1 P501.76 | length 30.1
  Top Layer w0.254: P501.76@131.385,111.523 131.385,96.224 138.964,88.646 141.376,88.646 P302.1@142.57,89.84
pads on no net: J2001.GND5 J2001.GND6 J2001.ID J2001.VBUS JP400.1 JP401.1 P1.2 P1.3 P2.2 P2.3 P500.26 P500.65 P501.1 P501.2 P501.3 P501.4 P501.5 P501.6 P501.7 P501.8 P501.9 P501.10 P501.11 P501.12 P501.14 P501.16 P501.17 P501.18 P501.19 P501.20 P501.21 P501.22 P501.23 P501.24 P501.25 P501.26 P501.27 P501.28 P501.30 P501.32 P501.34 P501.35 P501.36 P501.37 P501.38 P501.39 P501.40 P501.41 P501.42 P501.43 P501.44 P501.45 P501.46 P501.47 P501.48 P501.49 P501.50 P501.51 P501.52 P501.53 P501.54 P501.55 P501.56 P501.57 P501.58 P501.59 P501.60 P501.62 P501.64 P501.65 P501.66 P501.67 P501.68 P501.69 P501.70 P501.71 P501.72 P501.73 P501.75 P501.77 P501.79 PSM200.NC U1.2 U1.3 U1.4 U1.7 U1.10 U1.11 U1.12 U1.13 U1.16 U1.17 U1.27 U1.28 U1.38 U1.39 U1.40 U1.43 U1.45 U1.46 U3.2 U3.3 U3.4 U3.7 U3.10 U3.11 U3.12 U3.13 U3.16 U3.17 U3.27 U3.28 U3.38 U3.39 U3.40 U3.43 U3.45 U3.46 U5.13 U5.19 U5.20 U5.22 U5.23 U5.24 U5.25 U5.26 U5.27 U5.28 U200.3 U200.6 U200.7

## Polygon pours and split planes (outlines as drawn)
GND on Top Layer "gnd" (solid, remove dead copper, pour order 26): 54.915,179.934 59.995,174.854 177.114,174.854 177.114,109.245 206.451,79.908 168.859,42.316 164.719,42.316 83.515,42.316 75.032,33.833 27.076,81.788 18.415,81.788
VDD33 on Signal Layer 2 "VDD33" (solid, remove dead copper, pour order 27): 82.423,181.635 156.997,181.635 162.357,176.276 176.809,161.823 176.809,123.292 176.809,68.859 172.898,64.948 145.237,37.287 118.466,37.287 71.374,37.287 43.358,65.303 42.469,66.192 42.469,145.237
GND on Bottom Layer "gnd" (solid, remove dead copper, pour order 25): 65.278,182.372 70.358,177.292 187.477,177.292 187.477,111.684 216.814,82.347 179.222,44.755 175.082,44.755 93.878,44.755 85.395,36.271 37.44,84.226 28.778,84.226

## Keep-outs
Keep-Out Layer:
  the board outline again, w0.076

## Other copper
Bottom Layer:
  text "REV D" at 110.49,133.477 h1.52

## Silkscreen, mask and mechanical layers (free items; w line width, h text height)
Top Overlay:
  lines w0.1: 109.319,101.702 109.319,131.699
  lines w0.254: 70.819,101.219 70.819,132.207
  text "GOLDEN" at 135.865,120.32 h1.52
  text "DUT" at 85.776,119.837 h1.52
  text "APM Type-A Connector" at 84.912,106.528 h0.7
Mechanical 1:
  lines w0.254: 82.039,147.961 82.039,147.961 ; 119.375,61.251 cw(c115.037,115.037) 131.726,63.723 ; 119.38,61.251 119.38,80.416 120.371,81.407 130.658,81.407 131.724,80.34 131.724,63.729

## Text inside footprints (layer, text, board x,y; h text height)
P3: Top Overlay "-" at 119.126,65.507 h3 r180; Top Overlay "+" at 105.207,65.761 h3 r180
P500: Top Overlay "Male" at 85.805,113.153 h1.97
P501: Top Overlay "Male" at 136.075,113.153 h1.97
PSM200: Bottom Overlay "IO and power PixHawk2" at 93.323,126.924 h0.7 r315; Bottom Overlay "POWER IN" at 91.593,137.084 h0.7; Bottom Overlay "ALM" at 86.703,119.134 h0.7; Bottom Overlay "VBUS" at 88.903,119.134 h0.7; Bottom Overlay "P EN" at 90.703,119.134 h0.7; Bottom Overlay "S EN" at 92.703,119.134 h0.7; Bottom Overlay "P OC" at 94.703,119.134 h0.7; Bottom Overlay "HP OC" at 97.303,119.134 h0.7; Bottom Overlay "BUZZ" at 84.803,119.134 h0.7; Bottom Overlay "GND" at 102.803,122.834 h0.7 r270; Bottom Overlay "FMU_5V" at 77.703,124.434 h0.7 r270; Bottom Overlay "A_OK" at 77.703,126.734 h0.7 r270; Bottom Overlay "B_OK" at 77.703,128.734 h0.7 r270; Bottom Overlay "U_OK" at 77.703,130.734 h0.7 r270; Bottom Overlay "Servo_VIN" at 78.303,134.134 h0.7 r270; Bottom Overlay "GND" at 77.703,122.834 h0.7 r270; Bottom Overlay "5V HP" at 102.903,124.634 h0.7 r270; Bottom Overlay "5v P" at 102.903,126.834 h0.7 r270; Bottom Overlay "NC" at 102.897,131.134 h0.7 r270; Bottom Overlay "5V RX" at 102.903,128.734 h0.7 r270; Bottom Overlay "3v3 SPEK" at 102.203,134.134 h0.7 r270; Bottom Overlay "IN_5V_USB" at 88.303,141.534 h0.7; Bottom Overlay "IN_5V_B" at 92.203,141.534 h0.7; Bottom Overlay "IN_5V_A" at 96.103,141.534 h0.7; Bottom Overlay "3DR Part# PCA_0007" at 92.523,126.124 h0.7 r315